# KiCad board poly_kb_wave_right_before_mirroring.kicad_pcb (continued)
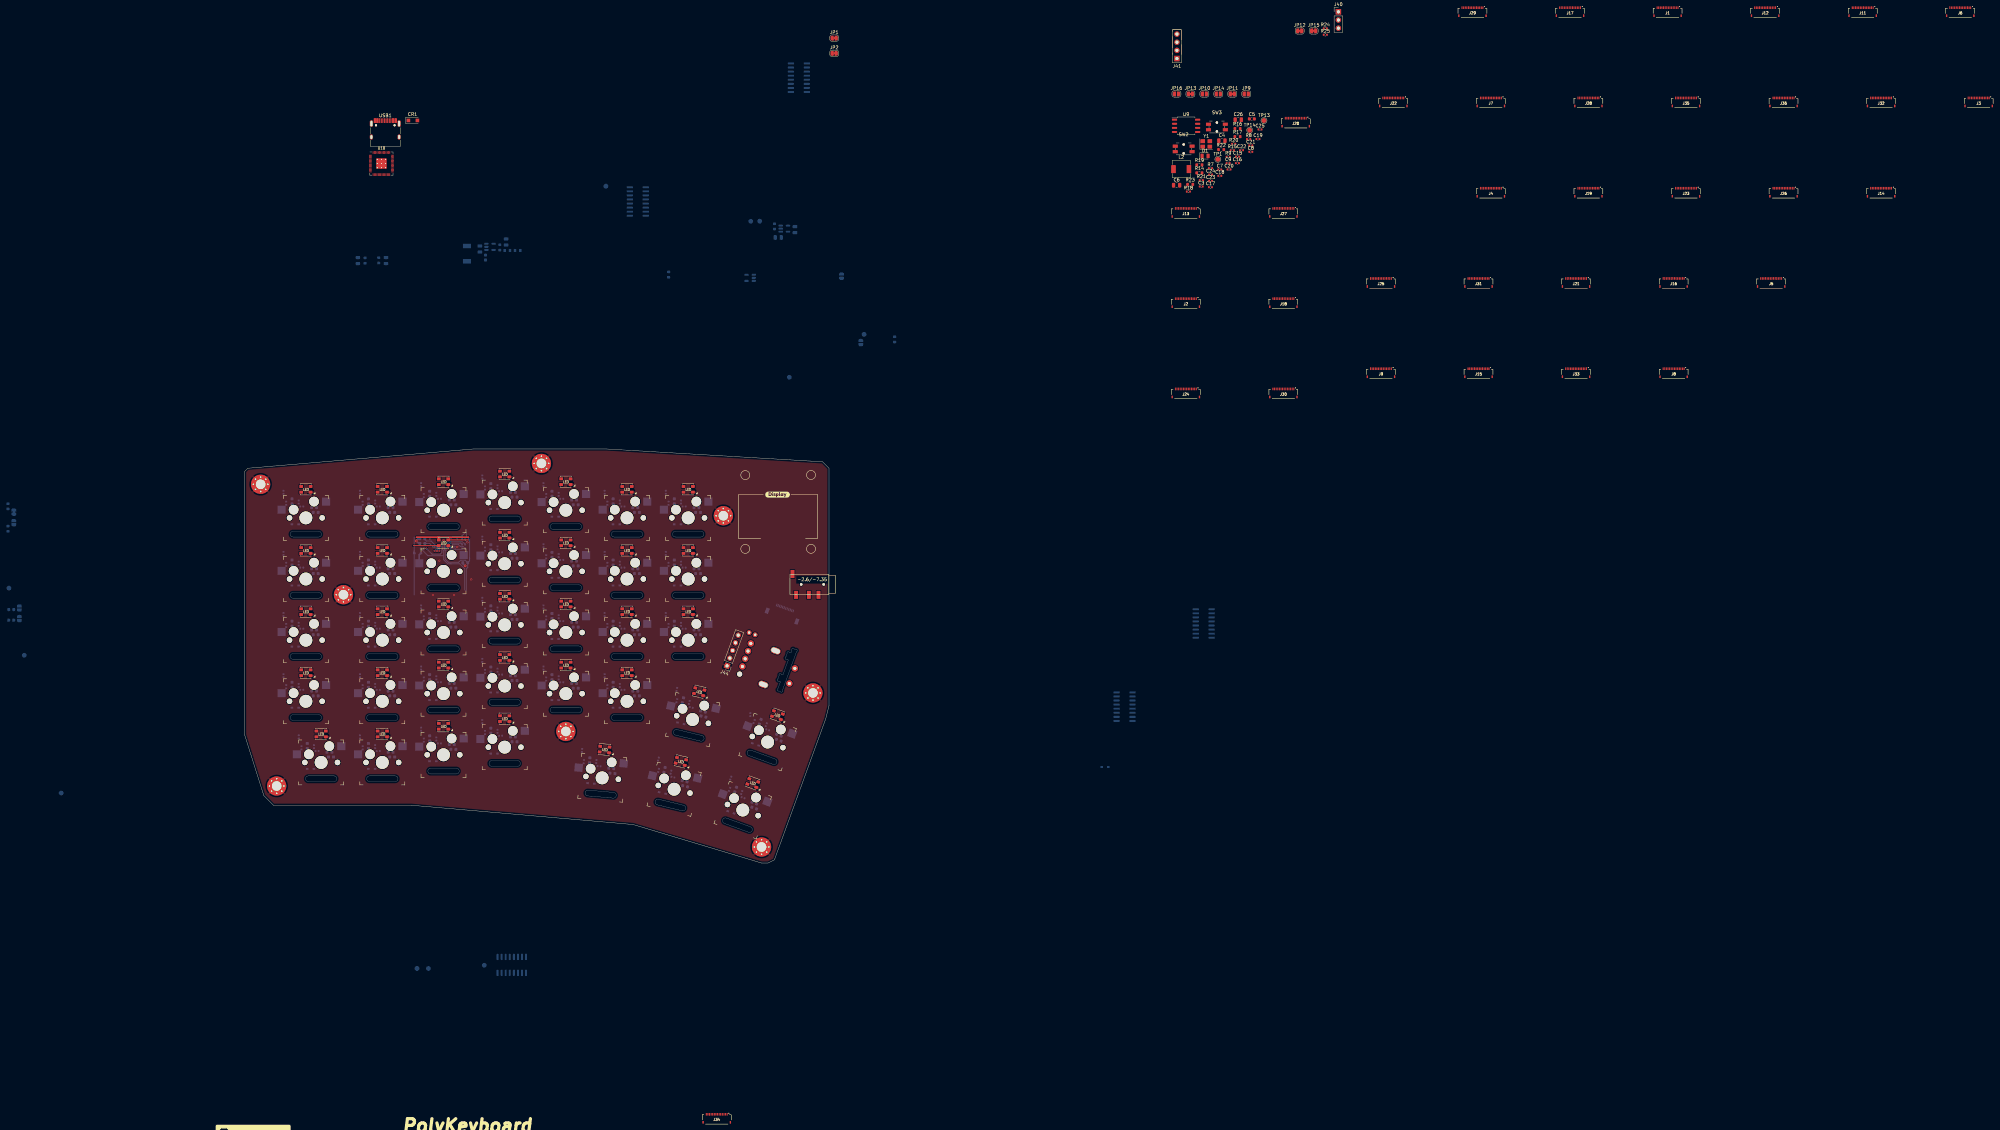
[diagram p0: board, top side]
## Placement (name value [footprint] x y rotation side) (continued)
J43  Conn_01x12  [XUNPU-FPC-05F-12PH15]  168.15 79.08 160 bottom
J44  Conn_01x05  [PinHeader_1x05_P2.54mm_Vertical]  150.25 61.45 160 top
JP1  DisplayPowerIn  [SolderJumper-2_P1.3mm_Bridged_RoundedPad1.0x1.5mm]  183.62 257.01 0 top
JP2  DispPowerOut  [SolderJumper-2_P1.3mm_Bridged_RoundedPad1.0x1.5mm]  183.62 252.27 0 top
JP3  DispPowerEn  [SolderJumper-2_P1.3mm_Bridged_RoundedPad1.0x1.5mm]  -71.85 109.33 270 bottom
JP4  DisplayPowerBypass  [SolderJumper-2_P1.3mm_Open_RoundedPad1.0x1.5mm]  -71.85 106.03 270 bottom
JP5  SolderJumper_2_Open  [SolderJumper-2_P1.3mm_Open_RoundedPad1.0x1.5mm]  -70.13 79.46 90 bottom
JP6  SolderJumper_2_Open  [SolderJumper-2_P1.3mm_Open_RoundedPad1.0x1.5mm]  -70.13 76.16 90 bottom
JP7  SolderJumper_2_Open  [SolderJumper-2_P1.3mm_Open_RoundedPad1.0x1.5mm]  185.9 182.84 270 bottom
JP8  SolderJumper_2_Open  [SolderJumper-2_P1.3mm_Open_RoundedPad1.0x1.5mm]  191.9 162.15 270 bottom
JP9  SolderJumper_2_Open  [SolderJumper-2_P1.3mm_Open_RoundedPad1.0x1.5mm]  311.95 239.62 0 top
JP10  SolderJumper_2_Open  [SolderJumper-2_P1.3mm_Open_RoundedPad1.0x1.5mm]  298.9 239.62 0 top
JP11  LogicLimitIn  [SolderJumper-2_P1.3mm_Bridged_RoundedPad1.0x1.5mm]  307.6 239.62 0 top
JP12  LogicLimitOut  [SolderJumper-2_P1.3mm_Bridged_RoundedPad1.0x1.5mm]  328.58 259.26 0 top
JP13  LogicLimitEn  [SolderJumper-2_P1.3mm_Bridged_RoundedPad1.0x1.5mm]  294.55 239.62 0 top
JP14  LogicLimitBypass  [SolderJumper-2_P1.3mm_Open_RoundedPad1.0x1.5mm]  303.25 239.62 0 top
JP15  SplitSupplyVsys  [SolderJumper-2_P1.3mm_Bridged_RoundedPad1.0x1.5mm]  332.93 259.26 0 top
JP16  SplitSupplyVbus  [SolderJumper-2_P1.3mm_Open_RoundedPad1.0x1.5mm]  290.2 239.62 0 top
kibuzzard-623B8224  G***  [kibuzzard-623B8224]  168.74 200.57 180 bottom
kibuzzard-623B8387  G***  [kibuzzard-623B8387]  77.53 194.35 180 bottom
kibuzzard-6239D54D  G***  [kibuzzard-6239D54D]  165.97 114.78 0 top
kibuzzard-6242D5F9  G***  [kibuzzard-6242D5F9]  159.05 195.92 270 bottom
kibuzzard-6242D7A6  G***  [kibuzzard-6242D7A6]  69.6 -31.87 180 bottom
kibuzzard-6242D616  G***  [kibuzzard-6242D616]  114.27 208.75 270 bottom
kibuzzard-6242D666  G***  [kibuzzard-6242D666]  156.18 195.79 270 bottom
kibuzzard-6242D823  G***  [kibuzzard-6242D823]  35.28 190.21 180 bottom
kibuzzard-6242D838  G***  [kibuzzard-6242D838]  -73.31 82.39 180 bottom
kibuzzard-6242D838#2  G***  [kibuzzard-6242D838]  44.03 190.21 180 bottom
L1  4.7uH  [MCS0530-4R7MN2]  69.25 189.84 270 bottom
L2  4.7uH  [MCS0530-4R7MN2]  291.68 216.21 0 top
LED1  -  [WS2812B-Mini]  19.09 116.43 0 top
LED2  -  [WS2812B-Mini]  42.9 116.43 0 top
LED3  -  [WS2812B-Mini]  61.95 118.81 0 top
LED4  -  [WS2812B-Mini]  81 121.19 0 top
LED5  -  [WS2812B-Mini]  100.05 118.81 0 top
LED6  -  [WS2812B-Mini]  119.1 116.43 0 top
LED7  -  [WS2812B-Mini]  138.15 116.43 0 top
LED8  -  [WS2812B-Mini]  19.09 97.38 0 top
LED9  -  [WS2812B-Mini]  42.9 97.38 0 top
LED10  -  [WS2812B-Mini]  61.95 99.76 0 top
LED11  -  [WS2812B-Mini]  81 102.14 0 top
LED12  -  [WS2812B-Mini]  100.05 99.76 0 top
LED13  -  [WS2812B-Mini]  119.1 97.38 0 top
LED14  -  [WS2812B-Mini]  138.15 97.38 0 top
LED15  -  [WS2812B-Mini]  19.09 78.33 0 top
LED16  -  [WS2812B-Mini]  42.9 78.33 0 top
LED17  -  [WS2812B-Mini]  61.95 80.71 0 top
LED18  -  [WS2812B-Mini]  81 83.09 0 top
LED19  -  [WS2812B-Mini]  100.05 80.71 0 top
LED20  -  [WS2812B-Mini]  119.1 78.33 0 top
LED21  -  [WS2812B-Mini]  138.15 78.33 0 top
LED22  -  [WS2812B-Mini]  19.09 59.28 0 top
LED23  -  [WS2812B-Mini]  42.9 59.28 0 top
LED24  -  [WS2812B-Mini]  61.95 61.66 0 top
LED25  -  [WS2812B-Mini]  81 64.05 0 top
LED26  -  [WS2812B-Mini]  100.05 61.66 0 top
LED27  -  [WS2812B-Mini]  119.1 59.28 0 top
LED28  -  [WS2812B-Mini]  141.59 53.37 346.5 top
LED29  -  [WS2812B-Mini]  23.85 40.23 0 top
LED30  -  [WS2812B-Mini]  42.9 40.23 0 top
LED31  -  [WS2812B-Mini]  61.95 42.61 0 top
LED32  -  [WS2812B-Mini]  81 44.99 0 top
LED33  -  [WS2812B-Mini]  112.12 35.37 355 top
LED34  -  [WS2812B-Mini]  135.87 31.65 346.5 top
LED35  -  [WS2812B-Mini]  158.27 24.94 340 top
LED36  -  [WS2812B-Mini]  165.92 46.08 340 top
R1  22 0603  [R_0603_1608Metric]  -73.69 111.15 270 bottom
R1_1  10k 0402  [R_0402_1005Metric]  12.96 112.1 270 bottom
R1_2  10k 0402  [R_0402_1005Metric]  36.77 112.1 270 bottom
R1_3  10k 0402  [R_0402_1005Metric]  55.82 114.48 270 bottom
R1_4  10k 0402  [R_0402_1005Metric]  74.88 116.86 270 bottom
R1_5  10k 0402  [R_0402_1005Metric]  93.93 114.48 270 bottom
R1_6  10k 0402  [R_0402_1005Metric]  112.97 112.1 270 bottom
R1_7  10k 0402  [R_0402_1005Metric]  132.03 112.1 270 bottom
R1_8  10k 0402  [R_0402_1005Metric]  12.96 93.05 270 bottom
R1_9  10k 0402  [R_0402_1005Metric]  36.77 93.05 270 bottom
R1_10  10k 0402  [R_0402_1005Metric]  55.35 98 0 bottom
R1_11  10k 0402  [R_0402_1005Metric]  74.88 97.81 270 bottom
R1_12  10k 0402  [R_0402_1005Metric]  93.93 95.43 270 bottom
R1_13  10k 0402  [R_0402_1005Metric]  112.97 93.05 270 bottom
R1_14  10k 0402  [R_0402_1005Metric]  132.03 93.05 270 bottom
R1_15  10k 0402  [R_0402_1005Metric]  12.96 74 270 bottom
R1_16  10k 0402  [R_0402_1005Metric]  36.77 74 270 bottom
R1_17  10k 0402  [R_0402_1005Metric]  55.82 76.38 270 bottom
R1_18  10k 0402  [R_0402_1005Metric]  74.88 78.76 270 bottom
R1_19  10k 0402  [R_0402_1005Metric]  93.93 76.38 270 bottom
R1_20  10k 0402  [R_0402_1005Metric]  112.97 74 270 bottom
R1_21  10k 0402  [R_0402_1005Metric]  132.03 74 270 bottom
R1_22  10k 0402  [R_0402_1005Metric]  12.96 54.95 270 bottom
R1_23  10k 0402  [R_0402_1005Metric]  36.77 54.95 270 bottom
R1_24  10k 0402  [R_0402_1005Metric]  55.82 57.33 270 bottom
R1_25  10k 0402  [R_0402_1005Metric]  74.88 59.71 270 bottom
R1_26  10k 0402  [R_0402_1005Metric]  93.93 57.33 270 bottom
R1_27  10k 0402  [R_0402_1005Metric]  112.97 54.95 270 bottom
R1_28  10k 0402  [R_0402_1005Metric]  134.62 50.58 256.5 bottom
R1_29  10k 0402  [R_0402_1005Metric]  17.73 35.9 270 bottom
R1_30  10k 0402  [R_0402_1005Metric]  36.77 35.9 270 bottom
R1_31  10k 0402  [R_0402_1005Metric]  55.82 38.28 270 bottom
R1_32  10k 0402  [R_0402_1005Metric]  74.88 40.66 270 bottom
R1_33  10k 0402  [R_0402_1005Metric]  105.64 31.59 265 bottom
R1_34  10k 0402  [R_0402_1005Metric]  128.91 28.87 256.5 bottom
R1_35  10k 0402  [R_0402_1005Metric]  151.03 22.96 250 bottom
R1_36  10k 0402  [R_0402_1005Metric]  158.69 44.1 250 bottom
R2  22 0603  [R_0603_1608Metric]  202.44 163.14 90 bottom
R3  10k 0402  [R_0603_1608Metric]  132.05 183.35 90 bottom
R4  10k 0402  [R_0603_1608Metric]  -73.69 104.15 90 bottom
R5  1k 0603  [R_0603_1608Metric]  37.53 187.71 90 bottom
R6  1k 0603  [R_0603_1608Metric]  41.78 187.78 90 bottom
R7  5.1K 0402  [R_0402_1005Metric]  300.81 216.48 0 top
R8  5.6K 0402  [R_0402_1005Metric]  312.69 225.54 0 top
R9  5.1K 0402  [R_0402_1005Metric]  306.33 220.03 0 top
R10  390k 0603  [R_0603_1608Metric]  85.03 190.85 0 bottom
R11  390k 0603  [R_0603_1608Metric]  81.83 190.85 0 bottom
R12  150k 0603  [R_0603_1608Metric]  79.48 191.79 270 bottom
R13  22k 0603  [R_0603_1608Metric]  165.04 198.34 270 bottom
R14  680k 0603  [R_0603_1608Metric]  297.35 215.01 0 top
R15  10K 0402  [R_0402_1005Metric]  307.59 222.08 0 top
R16  1k 0603  [R_0603_1608Metric]  309.23 228.83 0 top
R17  150k 0603  [R_0603_1608Metric]  309.23 226.32 0 top
R18  220 0402  [R_0402_1005Metric]  293.93 209.19 0 top
R19  1k 0603  [R_0603_1608Metric]  297.35 217.52 0 top
R20  10K 0402  [R_0402_1005Metric]  308.03 224.07 0 top
R21  1K 0603  [R_0402_1005Metric]  297.94 212.76 0 top
R22  27 0603  [R_0603_1608Metric]  304.13 222.28 0 top
R23  27 0603  [R_0603_1608Metric]  294.48 211.44 0 top
R24  5.1K 0402  [R_0402_1005Metric]  336.56 260.04 0 top
R25  5.1K 0402  [R_0402_1005Metric]  336.56 258.05 0 top
SW1  RotaryEncoder_Switch  [EVQWGD001_ALPS-EC11]  161.79 62.7 70 top
SW2  TSA343G00-250J2  [Panasonic_EVQPUL_EVQPUC]  292.45 222.49 0 top
SW3  TSA343G00-250J2  [Panasonic_EVQPUL_EVQPUC]  302.8 229.32 0 top
SW_K_1  CheeryMX KeySwitch  [Kailh_socket_MX]  19.09 107.54 0 top
SW_K_2  CheeryMX KeySwitch  [Kailh_socket_MX]  42.9 107.54 0 top
SW_K_3  CheeryMX KeySwitch  [Kailh_socket_MX]  61.95 109.92 0 top
SW_K_4  CheeryMX KeySwitch  [Kailh_socket_MX]  81 112.31 0 top
SW_K_5  CheeryMX KeySwitch  [Kailh_socket_MX]  100.05 109.92 0 top
SW_K_6  CheeryMX KeySwitch  [Kailh_socket_MX]  119.1 107.54 0 top
SW_K_7  CheeryMX KeySwitch  [Kailh_socket_MX]  138.15 107.54 0 top
SW_K_8  CheeryMX KeySwitch  [Kailh_socket_MX]  19.09 88.49 0 top
SW_K_9  CheeryMX KeySwitch  [Kailh_socket_MX]  42.9 88.49 0 top
SW_K_10  CheeryMX KeySwitch  [Kailh_socket_MX]  61.95 90.87 0 top
SW_K_11  CheeryMX KeySwitch  [Kailh_socket_MX]  81 93.25 0 top
SW_K_12  CheeryMX KeySwitch  [Kailh_socket_MX]  100.05 90.87 0 top
SW_K_13  CheeryMX KeySwitch  [Kailh_socket_MX]  119.1 88.49 0 top
SW_K_14  CheeryMX KeySwitch  [Kailh_socket_MX]  138.15 88.49 0 top
SW_K_15  CheeryMX KeySwitch  [Kailh_socket_MX]  19.09 69.44 0 top
SW_K_16  CheeryMX KeySwitch  [Kailh_socket_MX]  42.9 69.44 0 top
SW_K_17  CheeryMX KeySwitch  [Kailh_socket_MX]  61.95 71.82 0 top
SW_K_18  CheeryMX KeySwitch  [Kailh_socket_MX]  81 74.2 0 top
SW_K_19  CheeryMX KeySwitch  [Kailh_socket_MX]  100.05 71.82 0 top
SW_K_20  CheeryMX KeySwitch  [Kailh_socket_MX]  119.1 69.44 0 top
SW_K_21  CheeryMX KeySwitch  [Kailh_socket_MX]  138.15 69.44 0 top
SW_K_22  CheeryMX KeySwitch  [Kailh_socket_MX]  19.09 50.39 0 top
SW_K_23  CheeryMX KeySwitch  [Kailh_socket_MX]  42.9 50.39 0 top
SW_K_24  CheeryMX KeySwitch  [Kailh_socket_MX]  61.95 52.77 0 top
SW_K_25  CheeryMX KeySwitch  [Kailh_socket_MX]  81 55.16 0 top
SW_K_26  CheeryMX KeySwitch  [Kailh_socket_MX]  100.05 52.77 0 top
SW_K_27  CheeryMX KeySwitch  [Kailh_socket_MX]  119.1 50.39 0 top
SW_K_28  CheeryMX KeySwitch  [Kailh_socket_MX]  139.51 44.71 346.5 top
SW_K_29  CheeryMX KeySwitch  [Kailh_socket_MX]  23.85 31.34 0 top
SW_K_30  CheeryMX KeySwitch  [Kailh_socket_MX]  42.9 31.34 0 top
SW_K_31  CheeryMX KeySwitch  [Kailh_socket_MX]  61.95 33.72 0 top
SW_K_32  CheeryMX KeySwitch  [Kailh_socket_MX]  81 36.1 0 top
SW_K_33  CheeryMX KeySwitch  [Kailh_socket_MX]  111.35 26.54 355 top
SW_K_34  CheeryMX KeySwitch  [Kailh_socket_MX]  133.77 22.99 346.5 top
SW_K_35  CheeryMX KeySwitch  [Kailh_socket_MX]  155.15 16.51 340 top
SW_K_36  CheeryMX KeySwitch  [Kailh_socket_MX]  162.88 37.7 340 top
TP1  USB_D-  [TestPoint_Pad_D1.5mm]  303.1 219.25 0 top
TP2  LED_ARR_END  [TestPoint_Pad_D1.5mm]  -57.11 21.82 180 bottom
TP3  VBAT  [TestPoint_Pad_D1.5mm]  -73.38 85.66 180 bottom
TP4  VDD  [TestPoint_Pad_D1.5mm]  -68.61 64.73 180 bottom
TP5  SR_CARRY  [TestPoint_Pad_D1.5mm]  74.65 -31.85 180 bottom
TP6  SR_LATCH  [TestPoint_Pad_D1.5mm]  157.63 199.94 180 bottom
TP7  SDIN  [TestPoint_Pad_D1.5mm]  192.92 164.69 180 bottom
TP8  SR_CLOCK  [TestPoint_Pad_D1.5mm]  112.52 210.88 180 bottom
TP9  SCLK  [TestPoint_Pad_D1.5mm]  169.65 151.34 180 bottom
TP10  SR_DATA  [TestPoint_Pad_D1.5mm]  160.43 199.96 180 bottom
TP11  D-C  [TestPoint_Pad_D1.5mm]  53.7 -32.85 180 bottom
TP12  RESET  [TestPoint_Pad_D1.5mm]  57.25 -32.85 180 bottom
TP13  3V3  [TestPoint_Pad_D1.5mm]  317.46 231.32 0 top
TP14  USB_D+  [TestPoint_Pad_D1.5mm]  313.01 228.31 0 top
U1  TD6811  [TSOT-23-5]  157.45 182.33 180 bottom
U2  TD6811  [TSOT-23-5]  76.43 191.98 0 bottom
U3  MT9700  [SOT-23-5]  168.09 197.65 0 bottom
U4  74HCT595  [SOIC-16_3.9x9.9mm_P1.27mm]  122.45 206.11 0 bottom
U5  74HCT595  [SOIC-16_3.9x9.9mm_P1.27mm]  298.68 74.64 0 bottom
U6  74HCT595  [SOIC-16_3.9x9.9mm_P1.27mm]  172.62 244.67 0 bottom
U7  74HCT595  [SOIC-16_3.9x9.9mm_P1.27mm]  274.04 48.73 0 bottom
U8  74HCT595  [SOIC-16_3.9x9.9mm_P1.27mm]  83.22 -31.74 270 bottom
U9  W25Q64JVSSIQ  [SOIC-8_5.275x5.275mm_P1.27mm]  293.2 229.68 0 top
U10  RP2040  [RP2040-QFN-56]  42.62 217.93 0 top
USB1  TYPE-C-31-M-12  [USB_C_Receptacle_HRO_TYPE-C-31-M-12]  43.82 227.25 0 top
Y1  TAXM12M4RFBCCT2T / ABM8-12.000MHZ-12-B1U-T  [Crystal_SMD_3225-4Pin_3.2x2.5mm]  299.5 224.04 0 top

## Library data of the parts
C1 C2 = -: JLC: 0603; LCSC: C1634
C1_1-C1_36 C2_1-C2_36 = -: JLC: 0603; LCSC: C23630
C3 C8 = -: LCSC: C1557
C3_1-C3_36 C5_1-C5_36 C6_1-C6_36 = -: JLC: 0402; LCSC: C52923
C4 C6 C10 C12-C14 = -: JLC: 0805; LCSC: C15850
C4_1-C4_36 = -: JLC: 0603; LCSC: C19666
C5 C11 = -: JLC: 0603; LCSC: C1653
C7 C9 C15-C23 = -: LCSC: C1525
C24 C25 = -: LCSC: C52923
C26 = -: LCSC: C15850
CR1 = -: Digi-Key_PN: MBR120VLSFT1GOSCT-ND; LCSC: C223608
D1 D6 = -: JLC: 0805; LCSC: C2296
D1_1-D1_36 = -: JLC: D_SOD-323Ext; LCSC: C2128
D5 = -: JLC: 0805; LCSC: C2293
D12 = -: JLC: 0805; LCSC: C2128
J1-J36 = -: LCSC: C324724
J42 = -: LCSC: C431535
J43 = -: LCSC: C2856817
L1 L2 = -: JLC: L_PANASONIC_ELT5KT; LCSC: C2836880
LED1-LED36 = -: LCSC: C527089
R1 R2 = -: JLC: 0603; LCSC: C23345
R1_1-R1_36 = -: JLC: 0402; LCSC: C25744
R3 R4 = -: JLC: 0603; LCSC: C23162
R5 R6 R16 R19 = -: JLC: 0603; LCSC: C21190
R7 R9 R24 R25 = -: LCSC: C25905
R8 = -: LCSC: C25908
R10 R11 = -: JLC: 0603; LCSC: C25908
R12 R17 = -: JLC: 0603; LCSC: C22807
R13 = -: JLC: 0603; LCSC: C31850
R14 = -: JLC: 0603; LCSC: C23150
R15 R20 = -: LCSC: C25744
R18 = -: LCSC: C25091
R21 = -: LCSC: C21190
R22 R23 = -: LCSC: C25190
SW2 SW3 = -: LCSC: C79174
U1 U2 = -: JLC: TSOT-23-5; LCSC: C189486
U3 = -: JLC: SOT-23-5; LCSC: C89855
U4-U8 = -: JLC: SOIC-16; LCSC: C282339
U9 = -: LCSC: C179171
U10 = -: LCSC: C2040
USB1 = -: LCSC: C165948
Y1 = -: LCSC: C133337

## Footprints (pads in the part's own frame, mm; a bottom-side part is the same pattern mirrored in y, then rotated)
C_0402_1005Metric
  rrect 0.56x0.62 smd: 1(-0.48,0) 2(0.48,0)
C_0603_1608Metric
  rrect 0.9x0.95 smd: 1(-0.775,0) 2(0.775,0)
C_0805_2012Metric
  rrect 1x1.45 smd: 1(-0.95,0) 2(0.95,0)
Crystal_SMD_3225-4Pin_3.2x2.5mm
  rect 1.4x1.2 smd: 1(-1.1,-0.85) 2(1.1,-0.85) 3(1.1,0.85) 4(-1.1,0.85)
D_SOD-123F
  rect 1.1x1.1 smd: 1(-1.4,0) 2(1.4,0)
D_SOD-323Ext
  rect 0.8x0.6 smd: 1(-1.05,0) 2(1.05,0)
EVQWGD001_ALPS-EC11
  oval 2x3.2 hole 1.5x2.8 unplated: (-6.725,-2.188) (4.475,-2.188)
  round 1.6 hole 1.6 unplated: (-6.21,5.85)
  round 2 hole 1: A(-3.67,5.85) A(3.95,5.85) B(1.41,5.85) C(-1.13,5.85) S1(-3.658,-9.703) S2(1.342,-9.703)
  round 1.524 hole 0.762: S1(6.95,7.5)
  oval 1.524x1.524 hole 0.762: S2(6.95,5.5)
FH34SRJ14S05SH50
  rect 0.3x0.8 smd: 1(3.25,1.525) 2(2.75,1.525) 3(2.25,1.525) 4(1.75,1.525) 5(1.25,1.525) 6(0.75,1.525) 7(0.25,1.525) 8(-0.25,1.525) 9(-0.75,1.525) 10(-1.25,1.525) 11(-1.75,1.525) 12(-2.25,1.525) 13(-2.75,1.525) 14(-3.25,1.525)
  rect 0.4x0.8 smd: MP(-4.25,-0.975) MP(4.25,-0.975)
Kailh_socket_MX
  round 1.702 hole 1.702 unplated: (-5.08,0) (5.08,0)
  round 3 hole 3 unplated: (-3.81,2.54) (2.54,5.08)
  round 3.988 hole 3.988 unplated: (0,0)
  rect 2.55x2.5 smd far side: 1(6.29,5.08) 2(-7.56,2.54)
LED_0805_2012Metric
  rrect 0.975x1.4 smd: 1(-0.938,0) 2(0.938,0)
MCS0530-4R7MN2
  rect 1.4x2.5 smd: 1(-2.4,0) 2(2.4,0)
MountingHole_3mm_Pad_Via
  round 0.8 hole 0.5: 1(-2.25,0) 1(-1.591,1.591) 1(-1.591,-1.591) 1(0,2.25) 1(0,-2.25) 1(1.591,1.591) 1(1.591,-1.591) 1(2.25,0)
  round 6 hole 3: 1(0,0)
Panasonic_EVQPUL_EVQPUC
  round 0.75 hole 0.75 unplated: (0,1.375) (0,-1.375)
  rect 1.55x1 smd: 1(-2.625,0.85) 1(2.625,0.85) 2(-2.625,-0.85) 2(2.625,-0.85)
PinHeader_1x03_P2.54mm_Vertical
  rect 1.7x1.7 hole 1: 1(0,0)
  oval 1.7x1.7 hole 1: 2(0,-2.54) 3(0,-5.08)
PinHeader_1x05_P2.54mm_Vertical
  rect 1.7x1.7 hole 1: 1(0,0)
  oval 1.7x1.7 hole 1: 2(0,-2.54) 3(0,-5.08) 4(0,-7.62) 5(0,-10.16)
R_0402_1005Metric
  rrect 0.54x0.64 smd: 1(-0.51,0) 2(0.51,0)
R_0603_1608Metric
  rrect 0.8x0.95 smd: 1(-0.825,0) 2(0.825,0)
RP2040-QFN-56
  rrect 1.084x1.084 smd: (-0.637,0.637) (-0.637,-0.637) (0.637,0.637) (0.637,-0.637)
  rrect 0.875x0.2 smd: 1(-3.438,2.6) 2(-3.438,2.2) 3(-3.438,1.8) 4(-3.438,1.4) 5(-3.438,1) 6(-3.438,0.6) 7(-3.438,0.2) 8(-3.438,-0.2) 9(-3.438,-0.6) 10(-3.438,-1) 11(-3.438,-1.4) 12(-3.438,-1.8) 13(-3.438,-2.2) 14(-3.438,-2.6) 29(3.438,-2.6) 30(3.438,-2.2) 31(3.438,-1.8) 32(3.438,-1.4) 33(3.438,-1) 34(3.438,-0.6) 35(3.438,-0.2) 36(3.438,0.2) 37(3.438,0.6) 38(3.438,1) 39(3.438,1.4) 40(3.438,1.8) 41(3.438,2.2) 42(3.438,2.6)
  rrect 0.2x0.875 smd: 15(-2.6,-3.438) 16(-2.2,-3.438) 17(-1.8,-3.438) 18(-1.4,-3.438) 19(-1,-3.438) 20(-0.6,-3.438) 21(-0.2,-3.438) 22(0.2,-3.438) 23(0.6,-3.438) 24(1,-3.438) 25(1.4,-3.438) 26(1.8,-3.438) 27(2.2,-3.438) 28(2.6,-3.438) 43(2.6,3.438) 44(2.2,3.438) 45(1.8,3.438) 46(1.4,3.438) 47(1,3.438) 48(0.6,3.438) 49(0.2,3.438) 50(-0.2,3.438) 51(-0.6,3.438) 52(-1,3.438) 53(-1.4,3.438) 54(-1.8,3.438) 55(-2.2,3.438) 56(-2.6,3.438)
  round 0.6 hole 0.35: 57(-1.275,1.275) 57(-1.275,0) 57(-1.275,-1.275) 57(0,1.275) 57(0,0) 57(0,-1.275) 57(1.275,1.275) 57(1.275,0) 57(1.275,-1.275)
  rrect 3.2x3.2 smd: 57(0,0)
SOIC-8_5.275x5.275mm_P1.27mm
  rrect 1.6x0.6 smd: 1(-3.6,1.905) 2(-3.6,0.635) 3(-3.6,-0.635) 4(-3.6,-1.905) 5(3.6,-1.905) 6(3.6,-0.635) 7(3.6,0.635) 8(3.6,1.905)
SOIC-16_3.9x9.9mm_P1.27mm
  rrect 1.95x0.6 smd: 1(-2.475,4.445) 2(-2.475,3.175) 3(-2.475,1.905) 4(-2.475,0.635) 5(-2.475,-0.635) 6(-2.475,-1.905) 7(-2.475,-3.175) 8(-2.475,-4.445) 9(2.475,-4.445) 10(2.475,-3.175) 11(2.475,-1.905) 12(2.475,-0.635) 13(2.475,0.635) 14(2.475,1.905) 15(2.475,3.175) 16(2.475,4.445)
SolderJumper-2_P1.3mm_Bridged_RoundedPad1.0x1.5mm
  custom 1x1.5 smd: 1(-0.65,0) 2(0.65,0)
SolderJumper-2_P1.3mm_Open_RoundedPad1.0x1.5mm
  custom 1x1.5 smd: 1(-0.65,0) 2(0.65,0)
SOT-23-5
  rrect 1.325x0.6 smd: 1(-1.137,0.95) 2(-1.137,0) 3(-1.137,-0.95) 4(1.137,-0.95) 5(1.137,0.95)
SSD1306_THT_OLED_DISPLAY_128X64_0-92INCH
  rect 1.7x1.7 hole 1: 1(0,-3.81)
  oval 1.7x1.7 hole 1: 2(0,-1.27) 3(0,1.27) 4(0,3.81)
TestPoint_Pad_D1.5mm
  round 1.5 smd: 1(0,0)
TRRS-PJ-320D
  round 0.8 hole 0.8 unplated: (0,-1.6) (0,-8.6)
  rect 2.5x1.2 smd: 1(-3.25,-11.3) 2(3.25,-10.2) 3(3.25,-6.2) 4(3.25,-3.2)
TSOT-23-5
  rrect 1.325x0.6 smd: 1(-1.137,0.95) 2(-1.137,0) 3(-1.137,-0.95) 4(1.137,-0.95) 5(1.137,0.95)
USB_C_Receptacle_HRO_TYPE-C-31-M-12
  round 0.65 hole 0.65 unplated: (-2.89,2.6) (2.89,2.6)
  rect 0.6x1.45 smd: A1(-3.25,4.045) A4(-2.45,4.045) A9(2.45,4.045) A12(3.25,4.045) B1(3.25,4.045) B4(2.45,4.045) B9(-2.45,4.045) B12(-3.25,4.045)
  rect 0.3x1.45 smd: A5(-1.25,4.045) A6(-0.25,4.045) A7(0.25,4.045) A8(1.25,4.045) B5(1.75,4.045) B6(0.75,4.045) B7(-0.75,4.045) B8(-1.75,4.045)
  oval 1x2.1 hole 0.6x1.7: S1(-4.32,3.13) S1(4.32,3.13)
  oval 1x1.6 hole 0.6x1.2: S1(-4.32,-1.05) S1(4.32,-1.05)
WS2812B-Mini
  rect 1.15x0.9 smd: 1(-1.465,0.89) 2(-1.465,-0.89) 3(1.465,-0.89) 4(1.465,0.89)
XUNPU-FPC-05F-12PH15
  rect 1.1x1.8 smd: 0(-4.899,-2.299) 0(4.903,-2.3)
  rect 0.3x0.9 smd: 1(-2.75,0.4) 2(-2.25,0.4) 3(-1.75,0.4) 4(-1.25,0.4) 5(-0.75,0.4) 6(-0.25,0.4) 7(0.25,0.4) 8(0.75,0.4) 9(1.25,0.4) 10(1.75,0.4) 11(2.25,0.4) 12(2.75,0.4)

## Nets
+1V1: C15.1 C16.1 C25.1 U10.23 U10.45 U10.50
/K_1/VCC: C1_2.1 J2.14
/K_2/VCC: C1_3.1 J3.14
/K_3/VCC: C1_4.1 J4.14
/K_4/VCC: C1_5.1 J5.14
/K_5/VCC: C1_6.1 J6.14
/K_A/VCC: C1_16.1 J16.14
/K_B1/VCC: C1_29.1 J29.14
/K_B2/VCC: C1_30.1 J30.14
/K_B3/VCC: C1_31.1 J31.14
/K_B4/VCC: C1_32.1 J32.14
/K_B5/VCC: C1_33.1 J33.14
/K_B6/VCC: C1_34.1 J34.14
/K_B7/VCC: C1_35.1 J35.14
/K_B8/VCC: C1_36.1 J36.14
/K_B/VCC: C1_27.1 J27.14
/K_C/VCC: C1_25.1 J25.14
/K_D/VCC: C1_18.1 J18.14
/K_E/VCC: C1_11.1 J11.14
/K_F/VCC: C1_19.1 J19.14
/K_G/VCC: C1_20.1 J20.14
/K_L1/VCC: C1_1.1 J1.14
/K_L2/VCC: C1_8.1 J8.14
/K_L3/VCC: C1_15.1 J15.14
/K_L4/VCC: C1_22.1 J22.14
/K_L6/VCC: C1_7.1 J7.14
/K_L7/VCC: C1_14.1 J14.14
/K_L8/VCC: C1_21.1 J21.14
/K_L9/VCC: C1_28.1 J28.14
/K_Q/VCC: C1_9.1 J9.14
/K_R/VCC: C1_12.1 J12.14
/K_S/VCC: C1_17.1 J17.14
/K_T/VCC: C1_13.1 J13.14
/K_V/VCC: C1_26.1 J26.14
/K_W/VCC: C1_10.1 J10.14
/K_X/VCC: C1_24.1 J24.14
/K_Z/VCC: C1_23.1 J23.14
GND: C1.2 C1_1.2 C1_2.2 C1_3.2 C1_4.2 C1_5.2 C1_6.2 C1_7.2 C1_8.2 C1_9.2 C1_10.2 C1_11.2 C1_12.2 C1_13.2 C1_14.2 C1_15.2 C1_16.2 C1_17.2 C1_18.2 C1_19.2 C1_20.2 C1_21.2 C1_22.2 C1_23.2 C1_24.2 C1_25.2 C1_26.2 C1_27.2 C1_28.2 C1_29.2 C1_30.2 C1_31.2 C1_32.2 C1_33.2 C1_34.2 C1_35.2 C1_36.2 C2.2 C2_1.2 C2_2.2 C2_3.2 C2_4.2 C2_5.2 C2_6.2 C2_7.2 C2_8.2 C2_9.2 C2_10.2 C2_11.2 C2_12.2 C2_13.2 C2_14.2 C2_15.2 C2_16.2 C2_17.2 C2_18.2 C2_19.2 C2_20.2 C2_21.2 C2_22.2 C2_23.2 C2_24.2 C2_25.2 C2_26.2 C2_27.2 C2_28.2 C2_29.2 C2_30.2 C2_31.2 C2_32.2 C2_33.2 C2_34.2 C2_35.2 C2_36.2 C3.1 C3_1.2 C3_2.2 C3_3.2 C3_4.2 C3_5.2 C3_6.2 C3_7.2 C3_8.2 C3_9.2 C3_10.2 C3_11.2 C3_12.2 C3_13.2 C3_14.2 C3_15.2 C3_16.2 C3_17.2 C3_18.2 C3_19.2 C3_20.2 C3_21.2 C3_22.2 C3_23.2 C3_24.2 C3_25.2 C3_26.2 C3_27.2 C3_28.2 C3_29.2 C3_30.2 C3_31.2 C3_32.2 C3_33.2 C3_34.2 C3_35.2 C3_36.2 C4.2 C4_1.2 C4_2.2 C4_3.2 C4_4.2 C4_5.2 C4_6.2 C4_7.2 C4_8.2 C4_9.2 C4_10.2 C4_11.2 C4_12.2 C4_13.2 C4_14.2 C4_15.2 C4_16.2 C4_17.2 C4_18.2 C4_19.2 C4_20.2 C4_21.2 C4_22.2 C4_23.2 C4_24.2 C4_25.2 C4_26.2 C4_27.2 C4_28.2 C4_29.2 C4_30.2 C4_31.2 C4_32.2 C4_33.2 C4_34.2 C4_35.2 C4_36.2 C6.2 C7.1 C8.1 C9.2 C10.2 C12.2 C13.2 C14.2 C15.2 C16.2 C17.2 C18.2 C19.2 C20.2 C21.2 C22.2 C23.2 C24.2 C25.2 C26.2 H1.1 H2.1 H3.1 H4.1 H5.1 H6.1 H7.1 H8.1 J1.1 J2.1 J3.1 J4.1 J5.1 J6.1 J7.1 J8.1 J9.1 J10.1 J11.1 J12.1 J13.1 J14.1 J15.1 J16.1 J17.1 J18.1 J19.1 J20.1 J21.1 J22.1 J23.1 J24.1 J25.1 J26.1 J27.1 J28.1 J29.1 J30.1 J31.1 J32.1 J33.1 J34.1 J35.1 J36.1 J40.2 J41.1 J43.11 J44.1 LED1.3 LED2.3 LED3.3 LED4.3 LED5.3 LED6.3 LED7.3 LED8.3 LED9.3 LED10.3 LED11.3 LED12.3 LED13.3 LED14.3 LED15.3 LED16.3 LED17.3 LED18.3 LED19.3 LED20.3 LED21.3 LED22.3 LED23.3 LED24.3 LED25.3 LED26.3 LED27.3 LED28.3 LED29.3 LED30.3 LED31.3 LED32.3 LED33.3 LED34.3 LED35.3 LED36.3 R5.1 R6.1 R7.1 R9.1 R12.1 R13.2 R15.2 R16.1 R17.1 R18.2 SW2.2 SW3.1 U1.2 U2.2 U3.2 U4.8 U4.13 U5.8 U5.13 U6.8 U6.13 U7.8 U7.13 U8.8 U8.13 U9.4 U10.19 U10.57 Y1.2 Y1.4
VBAT: C2_1.1 C2_2.1 C2_3.1 C2_4.1 C2_5.1 C2_6.1 C2_7.1 C2_8.1 C2_9.1 C2_10.1 C2_11.1 C2_12.1 C2_13.1 C2_14.1 C2_15.1 C2_16.1 C2_17.1 C2_18.1 C2_19.1 C2_20.1 C2_21.1 C2_22.1 C2_23.1 C2_24.1 C2_25.1 C2_26.1 C2_27.1 C2_28.1 C2_29.1 C2_30.1 C2_31.1 C2_32.1 C2_33.1 C2_34.1 C2_35.1 C2_36.1 J1.6 J2.6 J3.6 J4.6 J5.6 J6.6 J7.6 J8.6 J9.6 J10.6 J11.6 J12.6 J13.6 J14.6 J15.6 J16.6 J17.6 J18.6 J19.6 J20.6 J21.6 J22.6 J23.6 J24.6 J25.6 J26.6 J27.6 J28.6 J29.6 J30.6 J31.6 J32.6 J33.6 J34.6 J35.6 J36.6 JP2.2 JP4.2 TP3.1
VBUS: CR1.2 JP16.2 R8.1
VDD: C3_1.1 C3_2.1 C3_3.1 C3_4.1 C3_5.1 C3_6.1 C3_7.1 C3_8.1 C3_9.1 C3_10.1 C3_11.1 C3_12.1 C3_13.1 C3_14.1 C3_15.1 C3_16.1 C3_17.1 C3_18.1 C3_19.1 C3_20.1 C3_21.1 C3_22.1 C3_23.1 C3_24.1 C3_25.1 C3_26.1 C3_27.1 C3_28.1 C3_29.1 C3_30.1 C3_31.1 C3_32.1 C3_33.1 C3_34.1 C3_35.1 C3_36.1 J1.7 J2.7 J3.7 J4.7 J5.7 J6.7 J7.7 J8.7 J9.7 J10.7 J11.7 J12.7 J13.7 J14.7 J15.7 J16.7 J17.7 J18.7 J19.7 J20.7 J21.7 J22.7 J23.7 J24.7 J25.7 J26.7 J27.7 J28.7 J29.7 J30.7 J31.7 J32.7 J33.7 J34.7 J35.7 J36.7 JP12.2 JP14.2 R1_1.1 R1_2.1 R1_3.1 R1_4.1 R1_5.1 R1_6.1 R1_7.1 R1_8.1 R1_9.1 R1_10.1 R1_11.1 R1_12.1 R1_13.1 R1_14.1 R1_15.1 R1_16.1 R1_17.1 R1_18.1 R1_19.1 R1_20.1 R1_21.1 R1_22.1 R1_23.1 R1_24.1 R1_25.1 R1_26.1 R1_27.1 R1_28.1 R1_29.1 R1_30.1 R1_31.1 R1_32.1 R1_33.1 R1_34.1 R1_35.1 R1_36.1 R3.1 R4.1 TP4.1 U4.16 U5.16 U6.16 U7.16 U8.16
/K_1/C1N: C6_2.2 J2.5
/K_1/C1P: C6_2.1 J2.4
/K_1/C2N: C5_2.2 J2.3
/K_1/C2P: C5_2.1 J2.2
/K_1/CS: J2.8 R1_2.2 U4.1
/K_1/LED_DIN: LED2.4 LED3.2
/K_1/LED_DOUT: LED1.4 LED2.2
/K_1/VCOMH: C4_2.1 J2.13
/K_2/C1N: C6_3.2 J3.5
/K_2/C1P: C6_3.1 J3.4
/K_2/C2N: C5_3.2 J3.3
/K_2/C2P: C5_3.1 J3.2
/K_2/CS: J3.8 R1_3.2 U4.2
/K_2/LED_DIN: LED3.4 LED4.2
/K_2/VCOMH: C4_3.1 J3.13
/K_3/C1N: C6_4.2 J4.5
/K_3/C1P: C6_4.1 J4.4
/K_3/C2N: C5_4.2 J4.3
/K_3/C2P: C5_4.1 J4.2
/K_3/CS: J4.8 R1_4.2 U4.3
/K_3/LED_DIN: LED4.4 LED5.2
/K_3/VCOMH: C4_4.1 J4.13
/K_4/C1N: C6_5.2 J5.5
/K_4/C1P: C6_5.1 J5.4
/K_4/C2N: C5_5.2 J5.3
/K_4/C2P: C5_5.1 J5.2
/K_4/CS: J5.8 R1_5.2 U4.4
/K_4/LED_DIN: LED5.4 LED6.2
/K_4/VCOMH: C4_5.1 J5.13
/K_5/C1N: C6_6.2 J6.5
/K_5/C1P: C6_6.1 J6.4
/K_5/C2N: C5_6.2 J6.3
/K_5/C2P: C5_6.1 J6.2
/K_5/CS: J6.8 R1_6.2 U4.5
/K_5/LED_DIN: LED6.4 LED7.2
/K_5/VCOMH: C4_6.1 J6.13
/K_A/C1N: C6_16.2 J16.5
/K_A/C1P: C6_16.1 J16.4
/K_A/C2N: C5_16.2 J16.3
/K_A/C2P: C5_16.1 J16.2
/K_A/CS: J16.8 R1_16.2 U6.1
/K_A/LED_DIN: LED16.4 LED17.2
/K_A/LED_DOUT: LED15.4 LED16.2
/K_A/VCOMH: C4_16.1 J16.13
/K_B1/C1N: C6_29.2 J29.5
/K_B1/C1P: C6_29.1 J29.4
/K_B1/C2N: C5_29.2 J29.3
/K_B1/C2P: C5_29.1 J29.2
/K_B1/CS: J29.8 R1_29.2 U8.1
/K_B1/LED_DIN: LED29.4 LED30.2
/K_B1/LED_DOUT: LED29.2 LED36.4
/K_B1/VCOMH: C4_29.1 J29.13
/K_B2/C1N: C6_30.2 J30.5
/K_B2/C1P: C6_30.1 J30.4
/K_B2/C2N: C5_30.2 J30.3
/K_B2/C2P: C5_30.1 J30.2
/K_B2/CS: J30.8 R1_30.2 U8.2
/K_B2/LED_DIN: LED30.4 LED31.2
/K_B2/VCOMH: C4_30.1 J30.13
/K_B3/C1N: C6_31.2 J31.5
/K_B3/C1P: C6_31.1 J31.4
/K_B3/C2N: C5_31.2 J31.3
/K_B3/C2P: C5_31.1 J31.2
/K_B3/CS: J31.8 R1_31.2 U8.3
/K_B3/LED_DIN: LED31.4 LED32.2
/K_B3/VCOMH: C4_31.1 J31.13
/K_B4/C1N: C6_32.2 J32.5
/K_B4/C1P: C6_32.1 J32.4
/K_B4/C2N: C5_32.2 J32.3
/K_B4/C2P: C5_32.1 J32.2
/K_B4/CS: J32.8 R1_32.2 U8.4
/K_B4/LED_DIN: LED32.4 LED33.2
/K_B4/VCOMH: C4_32.1 J32.13
/K_B5/C1N: C6_33.2 J33.5
/K_B5/C1P: C6_33.1 J33.4
/K_B5/C2N: C5_33.2 J33.3
/K_B5/C2P: C5_33.1 J33.2
/K_B5/CS: J33.8 R1_33.2 U8.5
/K_B5/LED_DIN: LED33.4 LED34.2
/K_B5/VCOMH: C4_33.1 J33.13
/K_B6/C1N: C6_34.2 J34.5
/K_B6/C1P: C6_34.1 J34.4
/K_B6/C2N: C5_34.2 J34.3
/K_B6/C2P: C5_34.1 J34.2
/K_B6/CS: J34.8 R1_34.2 U8.6
/K_B6/LED_DIN: LED34.4 LED35.2
/K_B6/VCOMH: C4_34.1 J34.13
/K_B7/C1N: C6_35.2 J35.5
/K_B7/C1P: C6_35.1 J35.4
/K_B7/C2N: C5_35.2 J35.3
/K_B7/C2P: C5_35.1 J35.2
/K_B7/CS: J35.8 R1_35.2 U8.7
/K_B7/LED_DIN: LED22.2 LED35.4
/K_B7/VCOMH: C4_35.1 J35.13
/K_B8/C1N: C6_36.2 J36.5
/K_B8/C1P: C6_36.1 J36.4
/K_B8/C2N: C5_36.2 J36.3
/K_B8/C2P: C5_36.1 J36.2
/K_B8/CS: J36.8 R1_36.2 U8.15
/K_B8/LED_DOUT: LED36.2 TP2.1
/K_B8/VCOMH: C4_36.1 J36.13
/K_B/C1N: C6_27.2 J27.5
/K_B/C1P: C6_27.1 J27.4
/K_B/C2N: C5_27.2 J27.3
/K_B/C2P: C5_27.1 J27.2
/K_B/CS: J27.8 R1_27.2 U7.5
/K_B/LED_DIN: LED27.4 LED28.2
/K_B/LED_DOUT: LED26.4 LED27.2
/K_B/VCOMH: C4_27.1 J27.13
/K_C/C1N: C6_25.2 J25.5
/K_C/C1P: C6_25.1 J25.4
/K_C/C2N: C5_25.2 J25.3
/K_C/C2P: C5_25.1 J25.2
/K_C/CS: J25.8 R1_25.2 U7.3
/K_C/LED_DIN: LED25.4 LED26.2
/K_C/LED_DOUT: LED24.4 LED25.2
/K_C/VCOMH: C4_25.1 J25.13
/K_D/C1N: C6_18.2 J18.5
/K_D/C1P: C6_18.1 J18.4
/K_D/C2N: C5_18.2 J18.3
/K_D/C2P: C5_18.1 J18.2
/K_D/CS: J18.8 R1_18.2 U6.3
/K_D/LED_DIN: LED18.4 LED19.2
/K_D/LED_DOUT: LED17.4 LED18.2
/K_D/VCOMH: C4_18.1 J18.13
/K_E/C1N: C6_11.2 J11.5
/K_E/C1P: C6_11.1 J11.4
/K_E/C2N: C5_11.2 J11.3
/K_E/C2P: C5_11.1 J11.2
/K_E/CS: J11.8 R1_11.2 U5.3
/K_E/LED_DIN: LED11.4 LED12.2
/K_E/LED_DOUT: LED10.4 LED11.2
/K_E/VCOMH: C4_11.1 J11.13
/K_F/C1N: C6_19.2 J19.5
/K_F/C1P: C6_19.1 J19.4
/K_F/C2N: C5_19.2 J19.3
/K_F/C2P: C5_19.1 J19.2
/K_F/CS: J19.8 R1_19.2 U6.4
/K_F/LED_DIN: LED19.4 LED20.2
/K_F/VCOMH: C4_19.1 J19.13
/K_G/C1N: C6_20.2 J20.5
/K_G/C1P: C6_20.1 J20.4
/K_G/C2N: C5_20.2 J20.3
/K_G/C2P: C5_20.1 J20.2
/K_G/CS: J20.8 R1_20.2 U6.5
/K_G/LED_DIN: LED20.4 LED21.2
/K_G/VCOMH: C4_20.1 J20.13
/K_L1/C1N: C6_1.2 J1.5
/K_L1/C1P: C6_1.1 J1.4
/K_L1/C2N: C5_1.2 J1.3
/K_L1/C2P: C5_1.1 J1.2
/K_L1/CS: J1.8 R1_1.2 U4.15
/K_L1/LED_DOUT: LED1.2 LED14.4
/K_L1/VCOMH: C4_1.1 J1.13
/K_L2/C1N: C6_8.2 J8.5
/K_L2/C1P: C6_8.1 J8.4
/K_L2/C2N: C5_8.2 J8.3
/K_L2/C2P: C5_8.1 J8.2
/K_L2/CS: J8.8 R1_8.2 U5.15
/K_L2/LED_DIN: LED8.4 LED9.2
/K_L2/LED_DOUT: LED8.2 LED21.4
/K_L2/VCOMH: C4_8.1 J8.13
/K_L3/C1N: C6_15.2 J15.5
/K_L3/C1P: C6_15.1 J15.4
/K_L3/C2N: C5_15.2 J15.3
/K_L3/C2P: C5_15.1 J15.2
/K_L3/CS: J15.8 R1_15.2 U6.15
/K_L3/LED_DOUT: LED15.2 LED28.4
/K_L3/VCOMH: C4_15.1 J15.13
/K_L4/C1N: C6_22.2 J22.5
/K_L4/C1P: C6_22.1 J22.4
/K_L4/C2N: C5_22.2 J22.3
/K_L4/C2P: C5_22.1 J22.2
/K_L4/CS: J22.8 R1_22.2 SW1.S1 U7.15
/K_L4/LED_DIN: LED22.4 LED23.2
/K_L4/VCOMH: C4_22.1 J22.13
/K_L6/C1N: C6_7.2 J7.5
/K_L6/C1P: C6_7.1 J7.4
/K_L6/C2N: C5_7.2 J7.3
/K_L6/C2P: C5_7.1 J7.2
/K_L6/CS: J7.8 R1_7.2 U4.6
/K_L6/VCOMH: C4_7.1 J7.13
/K_L7/C1N: C6_14.2 J14.5
/K_L7/C1P: C6_14.1 J14.4
/K_L7/C2N: C5_14.2 J14.3
/K_L7/C2P: C5_14.1 J14.2
/K_L7/CS: J14.8 R1_14.2 U5.6
/K_L7/LED_DOUT: LED13.4 LED14.2
/K_L7/VCOMH: C4_14.1 J14.13
/K_L8/C1N: C6_21.2 J21.5
/K_L8/C1P: C6_21.1 J21.4
/K_L8/C2N: C5_21.2 J21.3
/K_L8/C2P: C5_21.1 J21.2
/K_L8/CS: J21.8 R1_21.2 U6.6
/K_L8/VCOMH: C4_21.1 J21.13
/K_L9/C1N: C6_28.2 J28.5
/K_L9/C1P: C6_28.1 J28.4
/K_L9/C2N: C5_28.2 J28.3
/K_L9/C2P: C5_28.1 J28.2
/K_L9/CS: J28.8 R1_28.2 U7.6
/K_L9/VCOMH: C4_28.1 J28.13
/K_Q/C1N: C6_9.2 J9.5
/K_Q/C1P: C6_9.1 J9.4
/K_Q/C2N: C5_9.2 J9.3
/K_Q/C2P: C5_9.1 J9.2
/K_Q/CS: J9.8 R1_9.2 U5.1
/K_Q/LED_DIN: LED9.4 LED10.2
/K_Q/VCOMH: C4_9.1 J9.13
/K_R/C1N: C6_12.2 J12.5
/K_R/C1P: C6_12.1 J12.4
/K_R/C2N: C5_12.2 J12.3
/K_R/C2P: C5_12.1 J12.2
/K_R/CS: J12.8 R1_12.2 U5.4
/K_R/LED_DIN: LED12.4 LED13.2
/K_R/VCOMH: C4_12.1 J12.13
/K_S/C1N: C6_17.2 J17.5
/K_S/C1P: C6_17.1 J17.4
/K_S/C2N: C5_17.2 J17.3
/K_S/C2P: C5_17.1 J17.2
/K_S/CS: J17.8 R1_17.2 U6.2
/K_S/VCOMH: C4_17.1 J17.13
/K_T/C1N: C6_13.2 J13.5
/K_T/C1P: C6_13.1 J13.4
/K_T/C2N: C5_13.2 J13.3
/K_T/C2P: C5_13.1 J13.2
/K_T/CS: J13.8 R1_13.2 U5.5
/K_T/VCOMH: C4_13.1 J13.13
/K_V/C1N: C6_26.2 J26.5
/K_V/C1P: C6_26.1 J26.4
/K_V/C2N: C5_26.2 J26.3
/K_V/C2P: C5_26.1 J26.2
/K_V/CS: J26.8 R1_26.2 U7.4
/K_V/VCOMH: C4_26.1 J26.13
/K_W/C1N: C6_10.2 J10.5
/K_W/C1P: C6_10.1 J10.4
/K_W/C2N: C5_10.2 J10.3
/K_W/C2P: C5_10.1 J10.2
/K_W/CS: J10.8 R1_10.2 U5.2
/K_W/VCOMH: C4_10.1 J10.13
